# Allegro board C000PD020-3399PRO-DMEB-A-A01.brd (continued)
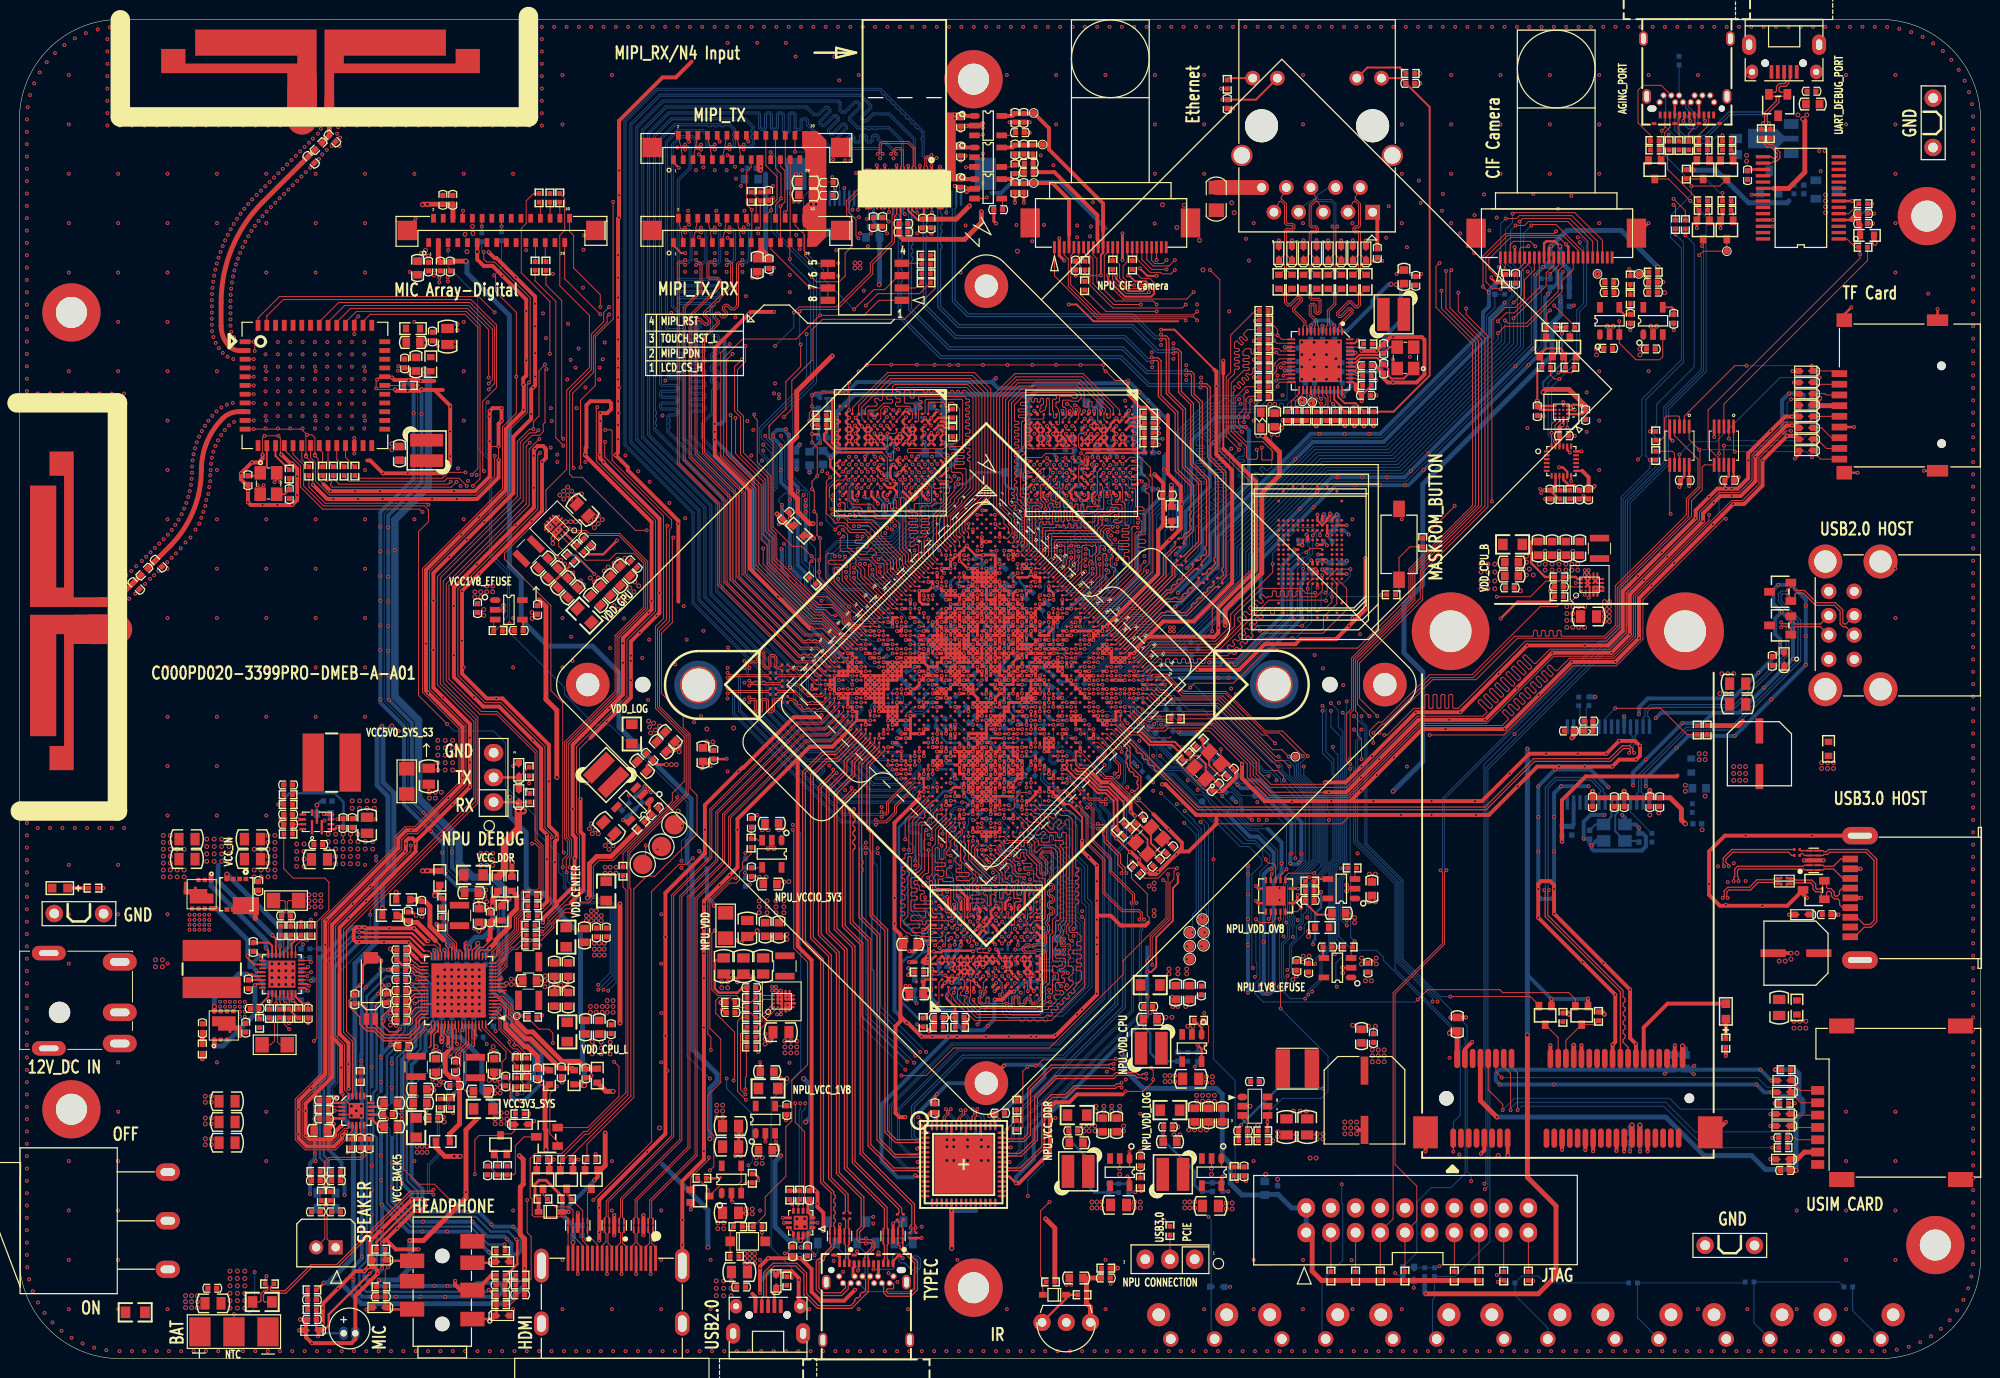
[diagram p0: board, top side]
## Copper pours and planes (outline as drawn; the poured copper is in the pictures) (continued)
VCC_1V8_S0 on S1: 92.99,74.64 104.67,74.64 104.78,74.74 104.78,75.45 103.96,76.26 94.11,76.26 92.89,75.04 92.89,74.74
VCC_1V8_S3 on TOP: 41.38,101.86 41.38,101.05 41.48,100.95 42.8,100.95 42.9,101.05 42.9,101.97 42.8,102.07 41.58,102.07
VCC_1V8_S3 on POWER1: 134.14,87.74 136.78,87.74 137.8,86.73 137.8,80.73 137.29,80.22 132.51,80.22 132.41,80.33 132.41,81.34 132.72,81.65 134.75,81.65 135.15,82.05 135.15,83.78 134.29,84.64 134.29,86.17 133.93,86.52 133.93,87.54
VCC_1V8_S3 on POWER2: 74.19,52.18 80.29,52.18 88.93,60.82 88.93,62.04 94.11,67.22 96.65,67.22 96.95,67.52 97.87,67.52 98.27,67.93 98.27,69.25 98.37,69.35 99.59,69.35 100.91,68.03 103.71,68.03 104.83,69.15 104.83,69.91 103.86,70.88 103.86,71.49 104.47,72.1 105.59,72.1 106.3,72.81 106.6,72.81 107.32,72.1 107.32,68.79 106.91,68.79 102.01,63.89 101.42,64.48 96.95,64.48 75.16,42.68 71.3,42.68 71.3,34.1 77.75,27.65 93.8,27.65 104.42,38.26 104.42,48.88 113.72,58.18 124.54,58.18 124.59,58.23 130.63,58.23 137.9,65.49 137.9,72.45 132,78.34 132,87.23 132.66,87.89 141.3,87.89 152.73,76.46 152.73,55.74 149.33,52.33 124.69,52.33 124.59,52.44 115.44,52.44 109.3,46.29 109.3,34.05 100.81,25.56 72.62,25.56 66.98,31.2 66.98,42.63 52.65,42.63 50.01,45.27 50.01,46.09 49.81,46.29 49.81,47.61 50.11,47.92 69.93,47.92 ; 1 cut-out
VCC_1V8_S3 on S1: 92.28,74.64 92.28,74.03 94.31,71.99 95.43,71.99 96.65,73.21 102.34,73.21 104.67,70.88 105.08,70.88 105.28,71.08 105.28,72.2 104.88,72.6 104.88,73.92 104.37,74.43 93.09,74.43 92.68,74.84 92.48,74.84
VCC_BAT on TOP: 27.97,48.22 27.97,46.19 28.07,46.09 31.22,46.09 31.52,46.39 31.52,48.22 31.32,48.42 28.17,48.42
VCC_BAT on TOP: 19.53,1.08 16.79,1.08 15.77,2.09 15.77,6.06 17.4,7.68 19.53,7.68 19.63,7.58 19.63,1.18
VCC_BAT on TOP: 42.8,25.97 42.8,24.34 43.1,24.04 43.92,24.04 44.12,24.24 44.12,25.06 43.71,25.46 43.71,25.97 43.61,26.07 42.9,26.07
VCC_BAT on S1: 16.38,4.94 16.59,4.74 20.24,4.74 20.65,5.14 20.65,8.9 25.83,14.08 25.83,20.28 26.04,20.48 43.92,20.48 44.93,21.5 44.93,24.75 44.32,25.36 39.24,25.36 37.92,24.04 29.69,24.04 25.83,27.9 25.83,36.94 25.73,37.04 25.73,43.65 26.04,43.95 31.12,43.95 32.03,44.87 32.03,48.32 31.72,48.63 25.22,48.63 25.17,48.58 21.82,48.58 19.94,46.7 19.94,43.34 16.79,40.19 16.79,10.22 16.38,9.82
VCC_BUCK5_P on TOP: 41.83,29.45 39.9,29.45 39.8,29.35 39.8,24.37 40.01,24.17 41.33,24.17 41.43,24.27 41.43,25.28 40.92,25.79 40.92,28.13 41.22,28.43 41.83,28.43 41.94,28.53 41.94,29.35
VCC_BUCK5_S3 on TOP: 76.12,23.63 76.12,22.31 76.43,22.01 76.43,21.09 76.94,20.58 76.94,19.77 76.84,19.67 75.51,19.67 75.01,20.18 75.01,23.53 75.21,23.73 76.02,23.73
VCC_BUCK5_S3 on TOP: 40.31,23.25 40.21,23.15 40.21,21.22 40.51,20.91 42.14,20.91 42.24,21.02 42.24,22.95 41.94,23.25
VCC_BUCK5_S3 on TOP: 136.98,47.71 138.1,47.71 138.4,48.02 139.62,48.02 139.83,47.81 139.83,46.8 139.62,46.59 136.98,46.59 136.78,46.8 136.78,47.51
VCC_BUCK5_S3 on POWER1: 138.4,47.61 139.83,47.61 140.13,47.31 140.13,42.23 137.69,39.79 137.69,38.06 139.73,36.03 154.66,36.03 156.69,34 156.69,18.15 155.27,16.72 133.22,16.72 132.41,17.54 132.41,20.99 132.51,21.09 135.05,21.09 136.47,19.67 148.06,19.67 150.6,22.21 150.6,31.96 149.58,32.98 138,32.98 135.26,35.72 135.26,42.23 136.78,43.75 136.78,45.98
VCC_BUCK5_S3 on POWER1: 47.32,43.06 43.66,43.06 43.26,42.66 43.26,41.95 42.85,41.54 41.63,41.54 41.08,40.99 41.08,36.55 38.89,34.35 38.89,21.73 40.01,20.61 41.94,20.61 42.34,21.02 42.34,22.74 41.22,23.86 41.22,33.39 42.6,34.76 42.6,39.2 43.71,40.32 47.22,40.32 47.73,40.83 47.73,42.66
VCC_BUCK5_S3 on POWER2: 40.59,19.9 42.39,18.1 133.83,18.1 133.83,22.11 40.82,22.11 40.59,21.88
VCC_CHARGE on TOP: 30,28.71 30,32.88 29.59,33.28 26.95,33.28 26.75,33.08 26.75,30.54 23.9,27.7 22.38,27.7 21.77,27.09 21.77,20.38 17.3,15.91 14.35,15.91 13.74,15.3 13.74,13.17 14.25,12.66 20.85,12.66 25.93,17.74 25.93,19.87 28.07,22.01 28.07,26.78
VCC_DDR_P on TOP: 46.3,46.31 44.27,46.31 44.07,46.52 44.07,50.38 44.48,50.79 46,50.79 46.2,50.58 46.2,47.33 46.41,47.13 46.41,46.42
VCC_DDR_S3 on TOP: 47.17,52.18 47.17,49.03 47.27,48.93 48.49,48.93 48.69,49.13 48.69,50.25 49.2,50.76 49.2,52.08 49,52.28 47.27,52.28
VCC_DDR_S3 on BOTTOM: 94.62,75.96 94.62,75.75 94.82,75.55 95.22,75.55 95.83,76.16 96.04,76.16 96.24,75.96 96.44,75.96 96.75,76.26 96.75,76.36 96.55,76.57 96.55,76.87 96.65,76.97 96.95,76.97 97.16,76.77 97.46,76.77 97.76,77.07 97.76,77.18 97.46,77.48 97.46,77.79 97.56,77.89 97.97,77.89 98.07,77.79 98.17,77.79 98.37,77.99 98.37,78.09 98.27,78.19 98.27,78.6 98.48,78.8 98.68,78.8 98.78,78.7 99.09,78.7 99.39,79 99.59,79 100.1,78.5 100.41,78.5 101.52,77.38 101.52,77.07 101.73,76.87 102.03,76.87 102.84,76.06 103.66,76.06 103.86,76.26 103.86,76.36 101.32,78.9 101.32,79.11 99.59,80.83 99.8,81.04 99.8,82.15 99.59,82.36 98.98,82.36 97.76,81.14 97.76,80.73 98.48,80.02 98.48,79.82
VCC_DDR_S3 on POWER1: 47.17,50.56 47.27,50.46 51.64,50.46 78.87,77.68 92.68,77.68 94.72,75.65 95.94,75.65 98.78,78.5 99.9,78.5 102.03,76.36 102.24,76.36 102.54,76.06 103.76,76.06 105.74,78.04 114.38,78.04 118.19,81.85 118.19,99.32 114.53,102.98 83.64,102.98 82.83,103.8 76.73,103.8 76.63,103.69 69.32,103.69 65.05,99.43 65.05,85.51 47.17,67.63
VCC_IN on TOP: 28.02,50.15 27.51,50.66 27.51,53.2 27.76,53.45 28.4,53.45 29.03,54.09 29.54,54.09 29.67,54.21 29.67,55.36 29.79,55.48 30.15,55.48 30.25,55.38 30.25,54.85 30.56,54.54 30.56,50.4 30.3,50.15
VCC_IN on TOP: 127.94,25.56 128.96,25.56 129.16,25.36 129.16,24.55 129.57,24.14 133.63,24.14 133.73,24.24 133.73,26.17 133.53,26.38 127.94,26.38 127.84,26.27 127.84,25.66
VCC_IN on TOP: 17.5,48.12 17.5,54.21 17.81,54.52 23.09,54.52 23.6,54.01 23.6,49.13 23.5,49.03 21.87,49.03 21.77,49.13 21.77,50.15 21.56,50.35 19.74,50.35 19.23,49.85 19.23,48.93 19.43,48.73 19.94,48.73 19.94,48.12
VCC_IN on BOTTOM: 30.56,53.07 30.43,53.2 28.4,53.2 28.27,53.07 28.27,50.53 28.4,50.4 30.43,50.4 30.56,50.53
VCC_IN on BOTTOM: 17.6,50.66 17.6,53.1 18.72,54.21 21.77,54.21 22.17,53.81 22.17,51.06 21.56,50.46 17.81,50.46
VCC_IN on POWER1: 18.62,53.91 18.62,47.61 20.24,45.98 20.24,44.66 16.79,41.21 16.79,30.64 32.13,15.3 73.38,15.3 73.79,14.9 85.47,14.9 87.05,13.32 87.05,13.02 91.16,8.9 127.94,8.9 132.21,13.17 132.21,21.09 133.53,22.41 133.53,25.46 132.82,26.17 130.68,26.17 129.77,25.26 129.77,16.22 126.21,12.66 97.16,12.66 89.64,20.18 41.99,20.18 41.78,19.98 34.98,19.98 25.02,29.93 25.02,42.33 25.22,42.53 25.22,53.4 24.31,54.32 19.02,54.32
VCC_IN on S1: 28.17,49.85 27.36,50.66 27.36,53.5 26.85,54.01 25.22,54.01 21.87,50.66 18.42,50.66 17.7,51.37 17.7,58.38 19.23,59.9 30.71,59.9 31.42,59.19 31.42,50.35 30.91,49.85
VCC_LAN on TOP: 127.13,96.89 129.67,96.89 129.87,97.09 129.87,97.8 129.06,98.61 127.13,98.61 127.03,98.51 127.03,96.99
VCC_LAN on BOTTOM: 137.29,102.07 137.49,101.86 137.69,101.86 137.8,101.97 137.8,102.47 137.69,102.58 137.69,103.8 137.39,104.1 136.58,104.1 136.47,104 136.47,103.08 136.68,102.88 136.68,102.17 136.78,102.07
VCC_LAN on POWER1: 137.19,107.05 131.7,107.05 128.35,103.69 128.35,98.11 130.68,95.77 138.51,95.77 138.81,96.07 138.81,105.42
VCCA3V3_HUB on BOTTOM: 172.44,56.45 172.44,54.72 172.34,54.62 170.31,54.62 170.1,54.82 170.1,56.25 170.31,56.45
VCCIO_3V0_S0 on GND2: 92.79,73.32 92.58,73.32 92.28,73.01 89.54,73.01 89.54,73.06 85.22,73.06 78.26,66.1 77.95,66.1 77.75,66.3 77.75,67.93 85.37,75.55 91.47,75.55 92.79,74.23
VCCIO_3V3_S0 on TOP (solid shape): 76.53,123.76 76.53,122.18 76.38,122.03 76.02,122.03 75.82,122.24 75.82,123.76 75.92,123.86 76.43,123.86
VCCIO_3V3_S0 on TOP (solid shape): 76.63,114.21 77.55,113.29 77.55,112.79 75.51,112.79 75.51,113.6 76.02,114.11 76.02,115.28 76.07,115.33 76.63,115.33
VCCIO_3V3_S0 on TOP: 127.03,96.38 126.92,96.28 126.92,94.75 127.03,94.65 128.14,94.65 128.35,94.85 128.35,96.28 128.24,96.38
VCCIO_3V3_S0 on TOP: 161.87,98.21 161.98,98.11 161.98,97.29 161.87,97.19 160.66,97.19 160.55,97.29 160.55,97.9 160.45,98 160.45,98.11 160.55,98.21
VCCIO_3V3_S0 on BOTTOM: 75.62,122.69 75.62,121.27 75.97,120.91 76.43,120.91 77.04,121.52 77.04,122.29 76.38,122.95 75.87,122.95
VCCIO_3V3_S0 on POWER2: 106.1,73.72 106.1,73.42 106.3,73.21 108.43,73.21 110.57,75.35 110.57,76.26 110.46,76.36 109.25,76.36 106.71,73.82 106.2,73.82
VCCIO_SD_S0 on GND2: 103.45,70.27 103.45,70.47 102.95,70.98 102.64,70.98 102.13,70.47 102.13,68.13 101.02,67.02 96.75,67.02 94.72,64.98 94.11,64.98 91.26,62.14 87.6,62.14 87.4,61.94 87.4,61.43 87.6,61.22 93.5,61.22 97.87,65.59 101.02,65.59 103.15,67.73 103.15,69.96
VDD10_EPHY on TOP: 143.69,106.03 143.28,105.62 141.86,105.62 141.76,105.73 141.76,109.79 141.55,109.99 140.44,109.99 140.34,110.09 140.34,111.01 140.44,111.11 142.98,111.11 143.28,110.81 143.99,110.81 144.2,110.6 144.2,109.79 143.69,109.28
VDD_CENTER_P on TOP: 56.87,40.22 54.33,40.22 53.82,39.71 53.11,39.71 53.01,39.81 53.01,42.05 52.81,42.25 52.81,42.66 52.98,42.84 56.69,42.84 56.97,42.56 56.97,40.32
VDD_CENTER_S0 on TOP: 55.65,43.88 56.77,43.88 56.97,43.67 58.5,43.67 58.6,43.77 58.6,43.95 61.09,43.95 61.39,44.26 61.39,47.51 61.09,47.81 59.36,47.81 59.16,47.61 59.16,47.31 58.45,46.59 58.06,46.59 56.87,45.4 56.21,45.4 55.65,44.84
VDD_CENTER_S0 on BOTTOM: 101.83,76.67 102.03,76.67 102.64,76.06 102.64,75.75 101.93,75.04 101.63,75.04 101.02,75.65 100.81,75.65 100.1,74.94 100,74.94 98.78,76.16 98.78,76.36 98.98,76.57 98.98,76.67 98.37,77.28 98.37,77.68 98.98,78.29 99.29,78.29 99.39,78.19 99.7,78.19 99.9,78.4 100.3,78.4 101.42,77.28 101.42,77.07
VDD_CENTER_S0 on POWER1: 57.43,44.66 58.14,43.95 60.48,43.95 60.58,44.05 62.2,44.05 71.55,53.4 75.62,53.4 91.97,69.76 95.83,69.76 101.93,75.86 101.93,76.16 99.9,78.19 98.88,78.19 96.55,75.86 96.55,75.55 96.24,75.25 94.62,75.25 93.9,74.53 91.87,74.53 91.06,75.35 87.1,75.35 85.98,74.23 76.02,74.23 73.69,71.89 73.69,69.15 70.03,65.49 70.03,62.65 67.18,59.8 63.93,59.8 61.7,57.57 61.7,55.13 57.43,50.86
VDD_CPU_B_P on TOP: 163.7,84.08 161.57,84.08 161.16,83.68 155.68,83.68 155.17,83.17 154.15,83.17 154.15,84.59 154.05,84.69 154.05,87.13 154.46,87.54 163.5,87.54 163.8,87.23 163.8,84.19
VDD_CPU_B_S0 on TOP: 153.04,78.8 153.24,79 153.24,83.07 153.14,83.17 153.14,84.39 153.04,84.49 151.1,84.49 150.09,83.48 150.09,79.11 150.39,78.8
VDD_CPU_B_S0 on BOTTOM: 101.93,74.94 101.93,74.74 102.64,74.03 102.64,73.72 102.54,73.62 102.54,73.42 103.66,72.3 103.96,72.3 104.17,72.5 104.27,72.5 104.47,72.3 104.57,72.3 104.78,72.5 105.28,72.5 105.38,72.4 105.59,72.4 105.69,72.5 105.69,72.81 104.98,73.52 105.28,73.82 105.28,74.23 103.96,75.55 103.66,75.55 103.45,75.35 103.25,75.35 102.95,75.65 102.64,75.65
VDD_CPU_B_S0 on POWER1: 101.93,74.84 101.93,73.92 105.54,70.32 105.54,66.97 108.13,64.37 141.05,64.37 147.14,70.47 147.14,77.38 148.67,78.9 152.22,78.9 152.83,79.51 152.83,82.87 151.41,84.29 142.16,84.29 137.49,79.61 121.54,79.61 119.51,77.58 105.69,77.58 103.96,75.86 102.95,75.86
VDD_CPU_L_P on TOP: 57.07,36.66 55.35,36.66 54.13,37.88 53.21,37.88 53.11,37.78 53.11,35.65 53.01,35.55 53.01,34.83 53.72,34.12 57.07,34.12 57.23,34.28 57.23,36.51
VDD_CPU_L_S0 on TOP: 55.4,33.08 56.82,33.08 57.63,33.89 61.09,33.89 61.19,33.79 61.19,31.05 61.09,30.95 57.94,30.95 57.84,31.05 55.91,31.05 55.3,31.66 55.3,32.98
VDD_CPU_L_S0 on BOTTOM: 100.61,72.71 100.61,72.5 101.32,71.79 101.32,71.49 100.91,71.08 100.91,70.78 101.22,70.47 101.73,70.47 101.93,70.67 102.44,70.67 102.54,70.57 102.84,70.57 103.45,71.18 103.45,71.49 103.35,71.59 103.05,71.59 102.95,71.49 102.64,71.49 101.93,72.2 101.93,72.3 102.54,72.91 102.54,73.11 102.34,73.32 101.63,73.32 101.52,73.42 101.32,73.42
VDD_CPU_L_S0 on POWER1: 57.73,31.05 58.45,30.34 64.74,30.34 70.43,36.03 70.43,45.48 73.58,48.63 79.07,48.63 82.52,52.08 82.52,53.91 87.1,58.48 87.1,58.79 94.21,65.9 97.26,65.9 98.32,64.83 103.3,64.83 104.88,66.41 104.88,70.37 102.54,72.71 102.54,73.11 102.34,73.32 99.8,73.32 95.94,69.45 92.18,69.45 75.72,53 71.65,53 65.76,47.1 65.76,47 62.31,43.55 62.31,36.43 60.99,35.11 58.34,35.11 57.73,34.5
VDD_GPU_P on TOP: 51.23,83.27 52.45,82.05 53.47,82.05 58.14,77.38 58.14,77.18 57.12,76.16 56.41,76.16 50.32,82.26 50.32,82.56 51.03,83.27
VDD_GPU_S0 on TOP: 58.04,74.94 58.04,75.65 58.85,76.46 58.85,77.18 63.53,81.85 63.83,81.85 64.19,81.49 64.19,77.53 60.78,74.13 58.85,74.13
VDD_GPU_S0 on BOTTOM: 97.76,72.3 98.17,72.3 98.37,72.5 98.58,72.5 98.98,72.1 99.39,72.5 99.39,72.71 98.27,73.82 98.27,74.23 98.88,74.84 98.88,75.25 98.78,75.35 98.78,75.45 99.09,75.75 97.87,76.97 97.56,76.97 96.14,75.55 95.22,75.55 95.12,75.45 95.12,75.25 96.14,74.23 96.34,74.23 96.55,74.43 96.75,74.43 97.05,74.13 97.05,73.92 96.85,73.72 96.85,73.52 97.46,72.91 97.46,72.6
VDD_GPU_S0 on BOTTOM: 59.16,76.97 59.16,77.58 61.09,79.51 63.22,79.51 63.63,79.11 63.63,78.19 61.8,76.36 59.77,76.36
VDD_GPU_S0 on POWER2: 94.31,77.48 95.83,77.48 96.14,77.18 97.05,77.18 97.26,77.38 98.17,77.38 99.29,76.26 99.29,75.55 98.88,75.14 98.88,74.13 99.19,73.82 99.19,72.91 98.53,72.25 98.02,72.25 97.46,72.81 97.36,72.81 96.95,73.21 93.19,73.21 91.47,74.94 67.39,74.94 67.23,74.79 61.65,74.79 60.38,76.06 60.38,77.58 66.57,83.78 75.41,83.78 75.82,84.19 81.1,84.19 82.12,83.17 88.62,83.17
VDD_LOG_S3 on TOP: 71.65,63.87 69.93,63.87 69.82,63.76 69.82,62.44 69.93,62.34 71.65,62.34 71.86,62.55 71.86,63.66
VDD_LOG_S3 on TOP: 65.25,62.55 67.08,64.37 67.08,64.88 66.07,65.9 62.31,65.9 62.2,65.8 62.2,64.68 62.51,64.37 63.02,64.37 63.93,63.46 64.24,63.46 65.15,62.55
VDD_LOG_S3 on TOP: 59.56,48.63 61.19,48.63 61.7,49.13 61.7,50.86 61.39,51.17 59.87,51.17 59.36,50.66 59.36,48.83
VDD_LOG_S3 on BOTTOM: 99.19,73.32 99.19,73.01 99.49,72.71 99.49,72.5 99.19,72.2 99.19,72.1 99.7,71.59 99.7,71.18 99.59,71.08 98.98,71.08 98.68,70.78 98.68,69.96 98.37,69.66 98.37,69.35 98.78,68.95 99.59,68.95 100.1,69.45 100.1,70.47 101.22,71.59 101.22,71.79 101.02,71.99 100.91,71.99 100.81,71.89 100.51,71.89 100.2,72.2 100.2,72.3 100.41,72.5 100.41,72.71 100.1,73.01 100.1,73.62 100,73.72 99.59,73.72
VDD_LOG_S3 on GND2: 102.64,75.96 102.64,75.35 102.13,74.84 100.2,74.84 99.8,74.43 99.8,73.72 101.73,71.79 101.73,68.24 100.71,67.22 96.55,67.22 91.77,62.44 86.79,62.44 84.05,59.7 72.36,59.7 62.2,49.54 59.87,49.54 57.94,51.47 57.94,54.52 63.12,59.7 63.32,59.7 63.32,62.85 63.22,62.95 63.22,66.3 64.14,67.22 64.64,67.22 66.78,65.09 77.75,65.09 79.68,67.02 88.82,67.02 98.07,76.26 99.29,76.26 99.8,76.77 101.83,76.77
VDDIO_WL on TOP: 37.01,102.58 42.7,102.58 42.8,102.68 42.8,103.59 42.7,103.69 38.74,103.69 38.13,103.08 37.01,103.08
(no net) on TOP: 10.3,0.51 3.38,3.38 0.51,10.3 0.51,127.5 3.38,134.43 10.3,137.29 191.5,137.29 198.42,134.43 201.29,127.5 201.29,10.3 198.42,3.38 191.5,0.51 ; 112 cut-outs
(no net) on S1: 10.3,0.51 3.38,3.38 0.51,10.3 0.51,127.5 3.38,134.43 10.3,137.29 191.5,137.29 198.42,134.43 201.29,127.5 201.29,10.3 198.42,3.38 191.5,0.51 ; 86 cut-outs
NPU_VCC1V8_EFUSE on TOP: 130.99,38.47 134.65,38.47 134.85,38.67 134.85,39.48 134.24,40.09 130.99,40.09 130.78,39.89 130.78,38.67
NPU_VCC1V8_EFUSE on POWER2: 115.44,46.19 115.44,45.17 116.26,44.36 125.2,44.36 130.68,38.87 131.19,38.87 131.6,39.28 131.6,41.21 126.01,46.8 116.05,46.8
NPU_VCC1V8_EFUSE on S1: 101.12,58.58 101.42,58.58 102.03,57.97 102.44,57.97 103,57.41 103,54.67 110.87,46.8 116.76,46.8 117.17,46.39 117.17,45.38 117.07,45.27 107.72,45.27 100.81,52.18 100.81,58.28
NPU_VCC_1V8_P on TOP: 76.63,28.51 76.63,25.56 76.33,25.26 75.11,25.26 74.9,25.46 74.9,28.51 75.11,28.71 76.43,28.71
NPU_VCC_1V8_S3 on TOP: 77.24,30.24 77.24,27.49 77.65,27.09 79.07,27.09 79.48,27.49 79.48,29.83 78.87,30.44 77.44,30.44
NPU_VCC_1V8_S3 on POWER2: 72.06,37.15 72.06,34.1 78.36,27.8 93.5,27.8 104.27,38.57 104.27,56.55 101.32,59.5 101.32,60.92 102.03,61.63 102.03,63.66 101.42,64.27 97.16,64.27 89.28,56.4 89.28,47.25 79.68,37.65 72.57,37.65
NPU_VCC_DDR_P on TOP: 108.33,25.87 108.33,22.92 108.53,22.72 108.53,17.64 108.43,17.54 106.4,17.54 106.2,17.74 106.2,20.89 106.3,20.99 106.3,25.87 106.4,25.97 108.23,25.97
NPU_VCC_DDR_S3 on TOP: 109.35,24.65 109.55,24.45 113.61,24.45 113.72,24.55 113.72,26.27 113.31,26.68 109.75,26.68 109.35,26.27
NPU_VCC_DDR_S3 on BOTTOM: 96.95,58.18 96.95,57.77 97.26,57.47 97.26,56.65 97.36,56.55 97.66,56.55 97.76,56.65 97.97,56.65 98.88,55.74 99.29,56.14 99.39,56.14 99.8,55.74 100.2,55.74 102.24,57.77 102.24,57.87 101.83,58.28 101.73,58.28 100,56.55 99.8,56.55 99.59,56.75 98.78,56.75 97.46,58.08 97.46,58.99 97.05,59.4 96.95,59.4 96.75,59.19 96.75,58.38
NPU_VCC_DDR_S3 on POWER1: 110.77,30.14 110.77,48.22 101.73,57.26 100.41,57.26 100.2,57.06 98.68,57.06 97.56,58.18 97.56,58.89 97.46,58.99 97.26,58.99 96.85,58.58 96.85,53.4 90.04,46.59 90.04,35.72 92.79,32.98 101.02,32.98 109.04,24.95 113.61,24.95 113.82,25.16 113.82,27.09
NPU_VCCIO_3V3_S3 on TOP: 79.17,48.52 79.17,50.96 78.97,51.17 78.16,51.17 77.55,50.56 77.55,48.42 77.65,48.32 78.97,48.32
NPU_VCCIO_3V3_S3 on GND2: 97.26,62.95 97.56,63.26 98.17,63.26 100.41,61.02 100.71,61.02 102.24,62.55 103.45,62.55 103.66,62.34 103.66,61.43 101.52,59.29 101.52,59.09 100.91,58.48 100.41,58.48 97.26,61.63
NPU_VCCIO_3V3_S3 on S1: 96.55,54.21 101.02,58.68 101.02,58.99 100.41,59.6 98.48,59.6 93.29,54.42 93.29,50.46 92.48,49.64 78.87,49.64 78.36,49.13 78.36,47.92 79.07,47.2 93.29,47.2 96.55,50.46
NPU_VDD_0V8_P on TOP: 133.73,45.48 134.24,44.97 134.24,44.16 134.44,43.95 135.36,43.95 135.46,44.05 135.46,47.61 135.36,47.71 134.14,47.71 133.73,47.31
NPU_VDD_0V8_S3 on TOP: 133.63,44.77 133.63,44.05 133.53,43.95 133.53,43.24 133.43,43.14 132.11,43.14 131.9,43.34 131.9,44.87 132,44.97 133.43,44.97
NPU_VDD_0V8_S3 on POWER2: 115.44,49.74 115.44,47.31 115.54,47.2 125.81,47.2 129.87,43.14 133.32,43.14 133.53,43.34 133.53,44.46 132.36,45.63 130.63,45.63 126.11,50.15 115.85,50.15
NPU_VDD_0V8_S3 on GND2: 95.02,62.65 96.75,62.65 97.36,63.26 98.37,63.26 100.41,61.22 101.12,61.22 101.22,61.33 101.22,61.83 99.09,63.97 96.44,63.97 95.63,63.16 94.92,63.16 94.82,63.05 94.82,62.85
NPU_VDD_0V8_S3 on S1: 102.03,62.44 100.91,62.44 100.1,61.63 100.1,60.11 101.32,58.89 101.83,58.89 103.05,57.67 103.05,54.93 110.97,47 116.56,47 117.07,47.51 117.07,48.93 116.76,49.24 113.11,49.24 108.74,53.6 108.74,53.71 105.79,56.65 105.79,58.68
NPU_VDD_1V8 on GND3: 102.64,59.9 103.25,59.29 103.25,59.09 102.13,57.97 100.3,57.97 100.1,58.18 100.1,58.58 101.42,59.9
NPU_VDD_CPU_P on TOP: 116.05,36.54 116.05,30.24 115.95,30.14 114.73,30.14 114.12,30.74 114.12,35.72 114.73,36.33 114.73,38.97 114.83,39.08 115.75,39.08 115.85,38.97 115.85,36.74
NPU_VDD_CPU_S0 on TOP: 116.87,40.09 116.87,38.06 116.97,37.96 121.84,37.96 121.95,38.06 121.95,40.19 121.64,40.5 117.27,40.5
NPU_VDD_CPU_S0 on POWER1: 120.52,38.87 120.73,39.08 120.73,53 109.55,64.17 108.03,64.17 107.21,64.98 104.27,64.98 103.45,64.17 101.22,64.17 100.1,63.05 100.1,62.75 99.49,62.14 99.49,60.72 99.8,60.41 100,60.41 100.05,60.46 100.1,60.41 106.81,60.41 116.05,51.17 116.05,40.3 117.48,38.87
NPU_VDD_LOG_P on TOP: 117.88,26.17 117.88,24.24 118.08,24.04 118.08,20.89 118.29,20.69 118.29,17.44 118.08,17.23 116.15,17.23 115.85,17.54 115.85,26.17 115.95,26.27 117.78,26.27
NPU_VDD_LOG_S3 on TOP: 118.9,26.58 118.9,25.06 123.98,25.06 124.59,25.66 124.59,27.29 124.28,27.6 119.91,27.6
NPU_VDD_LOG_S3 on BOTTOM: 98.27,58.58 98.27,58.38 98.58,58.08 98.78,58.08 100.2,59.5 100.2,60.01 100.1,60.11 99.9,60.11 98.48,58.68 98.37,58.68
NPU_VDD_LOG_S3 on POWER1: 97.97,59.4 97.97,58.28 98.98,57.26 100.1,57.26 100.41,57.57 101.93,57.57 111.07,48.42 111.07,30.34 115.95,25.46 122.76,25.46 123.27,25.97 123.27,27.19 123.06,27.39 120.83,27.39 120.22,28 117.88,28 117.32,28.56 117.32,36.59 115.65,38.26 115.65,51.06 106.5,60.21 98.78,60.21
NPU_VDD_P on TOP: 71.45,43.34 71.45,40.9 71.65,40.7 77.34,40.7 77.75,41.11 79.78,41.11 79.78,41.21 78.66,42.33 74.6,42.33 73.48,43.44 71.55,43.44
NPU_VDD_S0 on TOP: 78.66,44.46 79.07,44.87 79.07,47.51 78.82,47.76 76.07,47.76 76.02,47.81 72.26,47.81 71.76,47.31 71.76,45.38 71.96,45.17 73.69,45.17 74.19,44.66 75.62,44.66 75.82,44.46
NPU_VDD_S0 on BOTTOM: 99.8,63.05 99.8,62.85 99.09,62.14 99.09,62.04 99.19,61.94 99.19,61.43 98.17,60.41 97.87,60.41 97.76,60.51 97.26,60.51 96.85,60.11 96.75,60.11 96.55,60.31 96.55,60.51 99.29,63.26 99.59,63.26
NPU_VDD_S0 on POWER1: 90.86,48.22 96.44,53.81 96.44,58.89 97.97,60.41 98.37,60.41 99.29,61.33 99.29,62.14 99.9,62.75 99.9,63.05 98.88,64.07 98.48,64.07 97.76,64.78 94.01,64.78 92.63,63.41 92.63,63.21 83.13,53.71 83.13,51.78 79.58,48.22 73.99,48.22 73.48,47.71 73.48,41.41 74.5,40.4 87,40.4 89.03,42.43 89.03,45.68 90.86,47.51
REGOUT on TOP: 136.47,104.81 137.29,104.81 137.49,105.01 140.34,105.01 141.05,105.73 141.05,109.18 140.94,109.28 139.83,109.28 139.62,109.08 139.62,108.57 136.47,105.42
SNSP on TOP: 24.51,1.18 27.15,1.18 27.86,1.89 27.86,6.36 27.76,6.46 25.53,6.46 25.43,6.36 25.43,5.04 24.82,4.43 24.41,4.43 24.31,4.33 24.31,1.38
SPKN_OUT on BOTTOM: 31.83,16.01 31.72,15.91 31.72,10.63 31.93,10.42 33.76,10.42 33.96,10.63 33.96,15.81 33.76,16.01
SPKP_OUT on BOTTOM: 31.32,16.01 29.39,16.01 29.18,15.81 29.18,10.73 29.49,10.42 31.01,10.42 31.42,10.83 31.42,15.91
SW1 on TOP: 51.69,41.84 50.57,41.84 50.37,41.64 50.37,40.32 49.25,39.2 49.25,39 49.35,38.9 49.76,38.9 50.57,39.71 51.59,39.71 51.69,39.81
SW2 on TOP: 51.69,37.98 49.45,37.98 49.35,37.88 49.35,37.68 51.18,35.85 51.79,35.85 51.89,35.95 51.89,37.78
SW3 on TOP: 46.3,44.89 44.37,44.89 44.27,44.79 44.27,43.77 45.19,42.86 45.19,42.05 45.39,41.84 45.59,41.84 45.59,43.06 46.3,43.77
SW4 on TOP: 48.03,30.67 46,30.67 45.9,30.77 45.9,31.38 46.81,32.29 46.81,33.92 47.02,33.92 47.02,33.51 48.03,32.5
USB20_AVDD_1V8 on S1: 102.03,66.3 101.22,66.3 97.36,62.44 97.36,61.22 97.16,61.02 96.24,61.02 96.24,63.16 100.1,67.02 101.42,67.02 101.83,67.42 101.83,68.54 102.84,69.56 103.25,69.56 103.76,69.05 103.76,68.03
N16787548 on TOP: 126.92,29.02 126.92,27.19 126.42,26.68 125.5,26.68 125.3,26.88 125.3,28.81 125.6,29.12 126.82,29.12
N16787550 on TOP: 130.68,31.96 130.68,27.6 129.67,26.58 127.84,26.58 127.33,27.09 127.33,30.44 128.85,31.96
N16852301 on TOP: 27.51,57.78 27.51,59.31 27.38,59.44 26.87,59.44 26.75,59.31 26.75,57.78 26.87,57.66 27.38,57.66
N16852678 on TOP: 31.7,55.61 31.7,55.36 32.46,55.36 32.59,55.23 39.95,55.23 40.97,56.25 40.97,58.58 40.36,59.19 37.72,59.19 36.91,60.01 36.91,63.36 35.79,64.48 33.05,64.48 32.84,64.27 32.84,55.99 32.46,55.61
N16852678 on BOTTOM: 33.86,57.52 33.86,55.74 34.37,55.23 36.78,55.23 36.91,55.36 36.91,57.64 36.78,57.77 34.11,57.77
N16852972 on TOP: 27.76,57.26 27.76,55.87 27.89,55.74 28.65,55.74 28.78,55.87 29.54,55.87 29.54,56.25 29.29,56.5 28.65,56.5 28.4,56.75 28.4,57.26 28.27,57.39 27.89,57.39
N77245547 on TOP: 42.75,33.92 42.75,33.72 42.44,33.41 42.44,32.19 42.04,31.79 42.04,31.18 41.63,30.77 40.11,30.77 39.9,30.97 39.9,31.48 40.11,31.68 40.21,31.68 40.51,31.99 40.51,32.19 42.04,33.72 42.34,33.72 42.55,33.92
N78340621 on TOP: 161.87,80.73 162.69,80.73 162.79,80.63 162.79,79.92 162.99,79.72 163.91,79.72 164.01,79.82 164.01,82.46 163.7,82.76 161.57,82.76 161.47,82.66 161.47,81.65 161.77,81.34 161.77,80.83
N78341282 on TOP: 54.48,86.12 54.18,86.42 53.87,86.42 52.04,84.59 52.04,84.29 53.57,82.76 54.48,83.68 54.48,85.1 54.18,85.41 54.18,85.61 54.48,85.91
N78348853 on TOP: 122.05,21.19 122.05,20.38 120.52,18.86 120.52,17.33 120.42,17.23 119.2,17.23 119.1,17.33 119.1,20.89 119.41,21.19
N78670871 on TOP: 37.01,104.38 38.94,104.38 39.24,104.07 40.16,104.07 40.26,104.18 40.26,106.41 40.16,106.51 38.13,106.51 36.91,105.29 36.91,104.48
N78670883 on TOP (solid shape): 5.59,78.34 9.09,78.34 9.09,77.34 1.09,77.34 1.09,89.84 3.79,89.84 3.79,79.34 4.59,79.34 4.59,90.84 3.09,90.84 3.09,93.34 5.59,93.34
N78671038 on TOP (solid shape): 43.88,134.07 33.38,134.07 33.38,133.27 44.88,133.27 44.88,134.77 47.38,134.77 47.38,132.27 32.38,132.27 32.38,128.77 31.38,128.77 31.38,136.77 43.88,136.77
N78671180 on TOP: 37.01,95.87 43.31,95.87 43.71,95.46 43.71,93.94 43.61,93.84 40.16,93.84 39.75,94.24 39.75,94.45 39.65,94.55 37.41,94.55 36.91,95.06 36.91,95.77
N78671489 on TOP: 35.99,94.55 35.99,93.33 37.82,91.5 43.41,91.5 43.61,91.7 43.61,93.03 43.51,93.13 39.95,93.13 39.65,92.82 38.23,92.82 37.11,93.94 37.11,94.35 36.91,94.55
N78716459 on BOTTOM: 185.55,121.68 185.55,120.76 185.24,120.46 181.99,120.46 181.79,120.66 180.67,120.66 179.45,119.44 178.74,119.44 178.44,119.75 178.44,120.97 178.94,121.47 180.26,121.47 180.57,121.78 185.45,121.78
N78716469 on BOTTOM: 185.34,120.05 185.34,119.04 185.24,118.93 180.87,118.93 180.57,119.24 180.57,120.25 180.77,120.46 181.48,120.46 181.79,120.15 185.24,120.15
N79970317 on TOP: 30.81,55.54 30.91,55.64 31.42,55.64 31.52,55.74 31.52,55.81 31.55,55.84 31.55,57.8 31.32,58.02 31.32,63.76 30.81,64.27 28.58,64.27 27.76,63.46 27.76,58.91 28.02,58.66 28.65,58.66 30.48,56.83 30.48,55.05 30.51,55.03 30.76,55.03 30.81,55.08
N79970327 on TOP: 28.52,58.41 28.02,58.41 27.89,58.28 27.89,57.77 28.02,57.64 28.52,57.64 29.79,56.37 29.79,55.99 29.97,55.81 30.23,55.81 30.25,55.84 30.25,56.68
N79985264 on TOP: 116.87,33.69 116.87,30.34 116.97,30.24 118.59,30.24 119,30.64 119,31.25 120.02,32.27 120.02,33.69 119.81,33.89 117.07,33.89
N79991018 on TOP: 112.6,21.19 112.6,19.87 110.97,18.25 110.97,17.64 110.77,17.44 109.35,17.44 109.25,17.54 109.25,20.89 109.55,21.19
